# Altium PCB main.PcbDoc (continued)
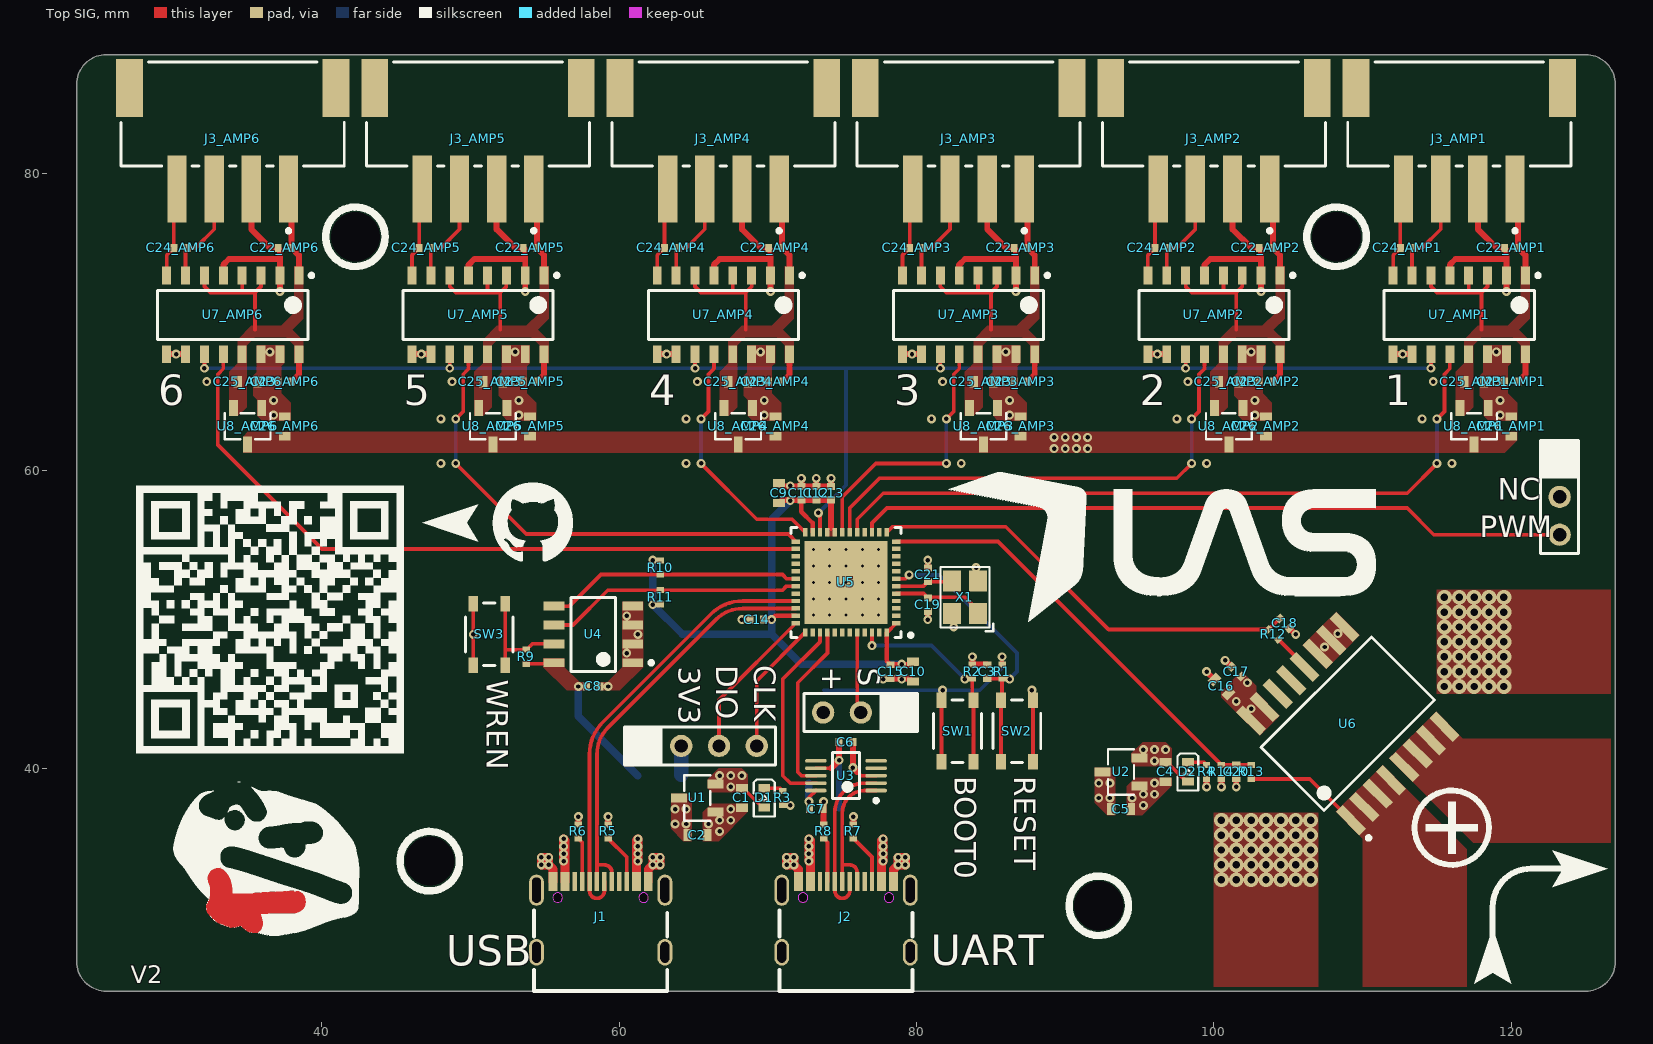
[diagram p0: Top SIG view]
## Part data
C1 C2 C4 C5 C9 C10 C16 C25_AMP1 C25_AMP2 C25_AMP3 C25_AMP4 C25_AMP5 C25_AMP6 C26_AMP1 C26_AMP2 C26_AMP3 C26_AMP4 C26_AMP5 C26_AMP6: library part "Generic CAP 0603"
C3 C6 C7 C8 C11 C12 C13 C14 C15 C17 C18 C19 C20 C21 C22_AMP1 C22_AMP2 C22_AMP3 C22_AMP4 C22_AMP5 C22_AMP6 C23_AMP1 C23_AMP2 C23_AMP3 C23_AMP4 C23_AMP5 C23_AMP6 C24_AMP1 C24_AMP2 C24_AMP3 C24_AMP4 C24_AMP5 C24_AMP6: library part "Generic CAP 0402"
J1 J2: "Connector Type:Type-C Standard:- Gender:Female Number of Contacts:16 Number of Ports:1 Mounting Style:Surface Mount Current Rating - Power (Max):3A Operating Temperature Range:-25℃~+85℃ Operating Temperature Range:-25℃~+85℃", Current Rating - Power (Max)=3A, JLCPCB Part Class="Extended Part", LCSC Part Name="Type-C 母座 卧贴", Manufacturer=DEALON(德艺隆), Operating Temperature Range=-25℃~+85℃, Add into BOM=yes, Connector Type=Type-C, Convert to PCB=yes, Datasheet=https://atta.szlcsc.com/upload/public/pdf/source/20211217/CCD3D517E355E8E0CC52ABD8D5784AD8.pdf, Device=USB-TYPE-C-019, Gender=Female, Manufacturer Part=USB-TYPE-C-019, Mounting Style="Surface Mount", Number of Contacts=16, Number of Ports=1, Standard=-, Supplier=LCSC, Supplier Footprint=SMD, Supplier Part=C2927039, Symbol=USB-TYPE-C-019
J3_AMP1 J3_AMP2 J3_AMP3 J3_AMP4 J3_AMP5 J3_AMP6: library part CMP-17439-000072-1, "CONN HEADER SMD R/A 4POS 2.5MM", Color=Natural, Contact Resistance=20mR, Housing Color=Beige, Max Current Rating=3A, Max Operating Temperature=85°C, Max Voltage Rating (AC)=250V, Min Operating Temperature=-25°C, Package Quantity=1, Connector Type="Male Pin", Contact Material="Copper Alloy", Contact Plating=Tin, Contact Type="Male Pin", Depth=10mm, Gender=Male, Housing Material=Polyamide, Lead Free="Lead Free", Length=15mm, Mount="Surface Mount", Number of Contacts=4, Number of Positions=4, Number of Rows=1, Orientation="Right Angle", Packaging="Tape and Reel", Pitch=0.098inch, REACH SVHC="No SVHC", Series=XH, Termination=Solder
R1 R2 R3 R4 R5 R6 R7 R8 R9 R10 R11 R12 R13 R14: library part "Generic RES 0402"
SW1 SW2 SW3: library part CMP-10040-000001-2, "SWITCH TACTILE SPST-NO 0.05A 16V", Case/Package=SMD/SMT, Color=Black, Current Rating=50mA, Max Operating Temperature=85°C, Min Operating Temperature=-40°C, Operating Force=160gf, Package Quantity=2900, Voltage Rating (DC)=16V, Actuator Type=Standard, Contact Plating=Silver, Depth=4.6mm, Illumination Type=Non-Illuminated, Lead Free="Lead Free", Length=3.2mm, Max Current Rating=50mA, Mechanical Life=150000Cycles, Mount="Surface Mount", Orientation=Straight, Packaging="Tape and Reel", RoHS Compliant=Yes, Switch Function=Off-Mom, Switch Travel=0.15mm, Termination=J-Bend, Throw Configuration=SPST
U1 U2 U8_AMP1 U8_AMP2 U8_AMP3 U8_AMP4 U8_AMP5 U8_AMP6: library part "3.3V Regulator XC6206P332MR_C5446", "Output Type: Output Polarity:Positive Number of Outputs:1 Maximum Input Voltage:6V Output Voltage:3.3V~3.3V Output Voltage:3.3V~3.3V Dropout Voltage:680mV@(100mA) Output Current:200mA Power Supply Rejection Ratio (PSRR):-", Dropout Voltage=680mV@(100mA), JLCPCB Part Class="Basic Part", LCSC Part Name="正 Vin=6V Vout=3.3V 200mA", Manufacturer=TOREX(特瑞仕), Maximum Input Voltage=6V, Output Current=200mA, Output Voltage=3.3V~3.3V, Power Supply Rejection Ratio (PSRR)=-, Add into BOM=yes, Convert to PCB=yes, Datasheet=https://atta.szlcsc.com/upload/public/pdf/source/20130801/1457706628791.pdf, Device=XC6206P332MR_C5446, Manufacturer Part=XC6206P332MR, Number of Outputs=1, Output Polarity=Positive, Supplier=LCSC, Supplier Footprint=SOT-23-3L, Supplier Part=C5446, Symbol=XC6206P332MR
U4: library part CMP-2000-05370-2, "IC EEPROM 2K I2C 400KHZ 8SO", Ambient Temperature Range High=+85°C, Ambient Temperature Range Low=-40°C, Frequency=400kHz, Manufacturer=STMicroelectronics, Max Supply Voltage=5.5V, Min Supply Voltage=2.5V, Nominal Supply Current=0.5-1mA, Package=SO8N-SO-A, Temperature="-40°C to +85°C", Access Time=900ns, Automotive=No, Category=IC, ComponentLink2Description=Datasheet, ComponentLink2URL=https://www.st.com/resource/en/datasheet/m24c02-w.pdf, Device Class L1="Integrated Circuits (ICs)", Device Class L2=Memory, Device Class L3=EEPROM, Digikey Description="IC EEPROM 2K I2C 400KHZ 8SO", Height=1.75mm, Interface=I2C, Lead Free=Yes, Manufacturer Part Number=M24C02-WMN6TP, Memory Size=2Kbits, Memory Type=EEPROM, Mouser Description="M24C02 Series 2 Kb (256 x 8) 2.5 V SMT Serial I²C Bus EEPROM - SOIC-8", Octopart=https://octopart.com/m24c02-wmn6tp-stmicroelectronics-55404516, RoHS=TRUE, Standoff Height=0.1mm, Temperature Range High=+85°C, Temperature Range Low=-40°C
U6: library part CMP-82923-000073-1, "AUTOMOTIVE GRADE HIGH BANDWIDTH", Case/Package=SOIC, Current Sensing=65A, Frequency=1MHz, Max Operating Temperature=125°C, Max Supply Current=35mA, Min Operating Temperature=-40°C, Accuracy=1.7%, Linearity=0.5%, Mount="Surface Mount", Number of Channels=1, Number of Pins=16, Packaging="Tape and Reel", Polarity=Bidirectional, Response Time=200ns, RoHS Compliant=Yes, Sensitivity=20mV/A
X1: library part "Crystal 25MHz X322525MOB4SI", "Crystal Type:SMD Crystal Resonator Frequency: Frequency Tolerance:±10ppm Frequency Tolerance:±10ppm Frequency Stability:±30ppm Frequency Stability:±30ppm Load Capacitance: Operating Temperature: Operating Temperature:", Frequency Stability=±30ppm, Frequency Tolerance=±10ppm, JLCPCB Part Class="Basic Part", LCSC Part Name="25MHz ±10ppm 12pF", Manufacturer=YXC(扬兴晶振), Manufacturer Part=X322525MOB4SI, Add into BOM=yes, Convert to PCB=yes, Crystal Type="SMD Crystal Resonator", Datasheet=https://atta.szlcsc.com/upload/public/pdf/source/20210329/C112971_1F611BDC486E193C1706F6D8EB5AA189.pdf, Device=X322525MOB4SI, Supplier=LCSC, Supplier Footprint=SMD3225-4P, Supplier Part=C9006, Symbol=X322525MOB4SI

## Free pads (board coordinates)
  round 1.5 hole 0.9: HS11(69.25,41.5) HS11(78.79,43.75) HS11(123.25,55.71) HS12(66.71,41.5) HS12(76.25,43.75) HS12(123.25,58.25) HS13(64.17,41.5) HS13(73.71,43.75) HS13(123.25,60.79) HS14(61.63,41.5)
  round 0 hole 3.3 unplated: MNT(42.25,75.75) MNT(47.25,33.75) MNT(92.25,30.75) MNT(108.25,75.75)

## Via types
v1: diameter 0.6, hole 0.3, Top SIG to Bottom SIG, tented both sides, 184 vias
v2: diameter 1, hole 0.5, Top SIG to Bottom SIG, tented both sides, 70 vias
v3: diameter 0.5, hole 0.2, Top SIG to Bottom SIG, tented bottom, 25 vias

## Nets (pads, with @x,y where several pads share a name; then routed paths per layer and width w, separated by ;. In a path a pad name is that pad's centre, name@x,y a point inside that pad or via, vN(x,y) a via of type N, cw(c..) or ccw(c..) an arc to the next point about the centre after c; other vN are vias at no path point)
"+3.3 MCU": C1.2 C7.2 C8.2 C9.2 C10.2 C11.2 C12.2 C13.2 C14.2 C15.2 D1.1 pad.HS13@64.17,41.5 pad.HS13@73.71,43.75 R1.2 R9.2 R10.2 R11.2 SW1.1 SW1.2 U1.2 U3.10 U4.8 U5.1 U5.20 U5.21 U5.23 U5.35 U5.48 | length 79.6
  Top SIG w0.25: R9.2 55.53,47.025 U4.8 ; C1.2 68.34,38.66 69.65,37.35 D1.1 ; v1(72.75,37.75) 72.75,38.025 U3.10 ; U5.48 U5.1 ; SW1.1 SW1.2 ; R1.2 v1(85.75,47.5)
  Top SIG w0.3: v1(70.25,50) 70.5,50.25 U5.35 ; C11.2 72.25,57.25 73,56.5 U5.23 ; U5.48 78,47.21 C15.2
  Top SIG w0.4: C14.2 v1(70.25,50) ; C9.2 70.95,58.04 C11.2 C12.2 C13.2 74.25,56.15 ; C15.2 79.55,46.96 C10.2
  Bottom SIG w0.25: 73.75,45.25 v1(81.75,45.25) 84.25,45.25 85.75,46.75 v1(85.75,47.5)
  Bottom SIG w0.5: v1(57.25,45.5) 57.25,43.5 61.25,39.5 ; v1(62.25,54) v1(62.25,51) 64.25,49 70.25,49 ; v1(71.5,58) 70.25,56.75 v1(70.25,50) 70.25,49 ; v1(72.75,37.75) 72.75,39 ; v1(79,47) 72.25,47 70.25,49
  Bottom SIG w1: 64.17,39.58 pad.HS13@64.17,41.5
  other v1: 67.5,38.75 66.75,39.5 67.5,39.5 68.25,39.5
"+3.3 SENS": C4.2 C16.2 C17.2 D2.1 U2.2 U6.15 U6.16 | length 2
  Top SIG w0.25: C4.2 96.84,40.41 98.15,39.1 D2.1
  other v1: 96,40.5 95.25,41.25 96,41.25 96.75,41.25 102.5,44 101.5,44.5 102.25,45.75
+3.3_AMP1: C22_AMP1.1 C23_AMP1.2 C25_AMP1.2 J3_AMP1.1 U7_AMP1.1 U7_AMP1.3 U7_AMP1.4 U7_AMP1.6 U7_AMP1.13 U7_AMP1.16 U8_AMP1.2 | length 17.4
  Top SIG w0.25: U7_AMP1.6 114.595,72.405 115,72 117.135,72 ; U7_AMP1.4 117.135,72 ; 118,69.5 118,72 ; U7_AMP1.3 118.405,72.405 118,72 ; 117.135,72 118,72
  Top SIG w0.4: J3_AMP1.1 120.46,78.74 C22_AMP1.1 120.945,74.515 U7_AMP1.1 ; C23_AMP1.2 120.945,66.485 U7_AMP1.16
+3.3_AMP2: C22_AMP2.1 C23_AMP2.2 C25_AMP2.2 J3_AMP2.1 U7_AMP2.1 U7_AMP2.3 U7_AMP2.4 U7_AMP2.6 U7_AMP2.13 U7_AMP2.16 U8_AMP2.2 | length 17.4
  Top SIG w0.25: U7_AMP2.6 98.095,72.405 98.5,72 100.635,72 ; U7_AMP2.4 100.635,72 ; 101.5,69.5 101.5,72 ; U7_AMP2.3 101.905,72.405 101.5,72 ; 100.635,72 101.5,72
  Top SIG w0.4: J3_AMP2.1 103.96,78.74 C22_AMP2.1 104.445,74.515 U7_AMP2.1 ; C23_AMP2.2 104.445,66.485 U7_AMP2.16
+3.3_AMP3: C22_AMP3.1 C23_AMP3.2 C25_AMP3.2 J3_AMP3.1 U7_AMP3.1 U7_AMP3.3 U7_AMP3.4 U7_AMP3.6 U7_AMP3.13 U7_AMP3.16 U8_AMP3.2 | length 17.4
  Top SIG w0.25: U7_AMP3.6 81.595,72.405 82,72 84.135,72 ; U7_AMP3.4 84.135,72 ; 85,69.5 85,72 ; U7_AMP3.3 85.405,72.405 85,72 ; 84.135,72 85,72
  Top SIG w0.4: J3_AMP3.1 87.46,78.74 C22_AMP3.1 87.945,74.515 U7_AMP3.1 ; C23_AMP3.2 87.945,66.485 U7_AMP3.16
+3.3_AMP4: C22_AMP4.1 C23_AMP4.2 C25_AMP4.2 J3_AMP4.1 U7_AMP4.1 U7_AMP4.3 U7_AMP4.4 U7_AMP4.6 U7_AMP4.13 U7_AMP4.16 U8_AMP4.2 | length 17.4
  Top SIG w0.25: U7_AMP4.6 65.095,72.405 65.5,72 67.635,72 ; U7_AMP4.4 67.635,72 ; 68.5,69.5 68.5,72 ; U7_AMP4.3 68.905,72.405 68.5,72 ; 67.635,72 68.5,72
  Top SIG w0.4: J3_AMP4.1 70.96,78.74 C22_AMP4.1 71.445,74.515 U7_AMP4.1 ; C23_AMP4.2 71.445,66.485 U7_AMP4.16
+3.3_AMP5: C22_AMP5.1 C23_AMP5.2 C25_AMP5.2 J3_AMP5.1 U7_AMP5.1 U7_AMP5.3 U7_AMP5.4 U7_AMP5.6 U7_AMP5.13 U7_AMP5.16 U8_AMP5.2 | length 17.4
  Top SIG w0.25: U7_AMP5.6 48.595,72.405 49,72 51.135,72 ; U7_AMP5.4 51.135,72 ; 52,69.5 52,72 ; U7_AMP5.3 52.405,72.405 52,72 ; 51.135,72 52,72
  Top SIG w0.4: J3_AMP5.1 54.46,78.74 C22_AMP5.1 54.945,74.515 U7_AMP5.1 ; C23_AMP5.2 54.945,66.485 U7_AMP5.16
+3.3_AMP6: C22_AMP6.1 C23_AMP6.2 C25_AMP6.2 J3_AMP6.1 U7_AMP6.1 U7_AMP6.3 U7_AMP6.4 U7_AMP6.6 U7_AMP6.13 U7_AMP6.16 U8_AMP6.2 | length 17.4
  Top SIG w0.25: U7_AMP6.6 32.095,72.405 32.5,72 34.635,72 ; U7_AMP6.4 34.635,72 ; 35.5,69.5 35.5,72 ; U7_AMP6.3 35.905,72.405 35.5,72 ; 34.635,72 35.5,72
  Top SIG w0.4: J3_AMP6.1 37.96,78.74 C22_AMP6.1 38.445,74.515 U7_AMP6.1 ; C23_AMP6.2 38.445,66.485 U7_AMP6.16
"+5 USB": C2.2 C5.2 C6.2 C26_AMP1.2 C26_AMP2.2 C26_AMP3.2 C26_AMP4.2 C26_AMP5.2 C26_AMP6.2 J1.A4B9 J1.B4A9 J2.A4B9 J2.B4A9 U1.3 U2.3 U3.7 U8_AMP1.3 U8_AMP2.3 U8_AMP3.3 U8_AMP4.3 U8_AMP5.3 U8_AMP6.3 | length 24.1
  Top SIG w0.25: U3.7 74.25,40
  Top SIG w0.4: 74.25,40 v1(74.79,40.54) C6.2
  Top SIG w0.6: J1.A4B9 56.35,33.65 v1(56.25,33.75) v1(56.25,34.25) v1(56.25,34.75) v1(56.25,35.25) 56.35,35.15 v1@56.35,33.75 ; J1.B4A9 61.15,33.65 v1(61.25,33.75) v1(61.25,34.25) v1(61.25,35.25) 61.15,35.15 v1@61.15,33.75 ; J2.A4B9 72.85,33.65 v1(72.75,33.75) v1(72.75,34.25) v1(72.75,34.75) v1(72.75,35.25) 72.85,35.15 v1@72.85,33.75 ; J2.B4A9 77.65,33.65 v1(77.75,33.75) v1(77.75,34.25) v1(77.75,34.75) v1(77.75,35.25) 77.65,35.15 v1@77.65,33.75
  Bottom SIG w0.4: 74.79,37.29 v1(74.79,40.54)
  other v1: 61.25,34.75 63.75,36.25 64.5,36.25 63.75,37.25 64.5,37.25 92.25,38 93,38 92.25,39 93,39 89.25,61.5 90,61.5 90.75,61.5 91.5,61.5 89.25,62.25 90,62.25 90.75,62.25 91.5,62.25
AMP_SCK: U5.22 U7_AMP1.11 U7_AMP2.11 U7_AMP3.11 U7_AMP4.11 U7_AMP5.11 U7_AMP6.11 | length 100
  Top SIG w0.25: v1(32.095,66.905) U7_AMP6.11 ; v1(48.595,66.905) U7_AMP5.11 ; v1(65.095,66.905) U7_AMP4.11 ; v1(73.393,57.171) 73.5,57.064 U5.22 ; v1(81.595,66.905) U7_AMP3.11 ; v1(98.095,66.905) U7_AMP2.11 ; v1(114.595,66.905) U7_AMP1.11
  Bottom SIG w0.25: v1(32.095,66.905) v1(48.595,66.905) v1(65.095,66.905) 75.25,66.905 ; v1(73.393,57.171) 75.25,59.028 75.25,66.905 ; v1(114.595,66.905) v1(98.095,66.905) v1(81.595,66.905) 75.25,66.905
BATT_IN: R13.2 U6.1 U6.2 U6.3 U6.4 | length 7.9
  Top SIG w0.25: R13.2 106.439,39.275 U6.1
BATT_OUT: U6.5 U6.6 U6.7 U6.8
BOOT0: R2.2 SW1.3 SW1.4 U5.46 | length 13.7
  Top SIG w0.25: v1(77,48.25) U5.46 ; R2.2 83.75,44.65 SW1.4 SW1.3
  Bottom SIG w0.25: v1(77,48.25) 81,48.25 v1(83.25,46)
DOUT1: U5.17 U7_AMP1.12 | length 49.1
  Top SIG w0.25: U5.17 76,56.75 77.75,58.5 113,58.5 v1(115,60.5) ; v1(115,63.5) 115.5,64 115.5,66.5 115.865,66.865 U7_AMP1.12
  Bottom SIG w0.25: v1(115,60.5) v1(115,63.5)
DOUT2: U5.18 U7_AMP2.12 | length 33.6
  Top SIG w0.25: U5.18 75.5,57.5 77.5,59.5 97.5,59.5 v1(98.5,60.5) ; v1(98.5,63.5) 99,64 99,66.5 99.365,66.865 U7_AMP2.12
  Bottom SIG w0.25: v1(98.5,60.5) v1(98.5,63.5)
DOUT3: U5.19 U7_AMP3.12 | length 18
  Top SIG w0.25: U5.19 75,58.25 77.25,60.5 v1(82,60.5) ; v1(82,63.5) 82.5,64 82.5,66.5 82.865,66.865 U7_AMP3.12
  Bottom SIG w0.25: v1(82,60.5) v1(82,63.5)
DOUT4: U5.24 U7_AMP4.12 | length 16.6
  Top SIG w0.25: v1(65.5,60.5) 69.25,56.75 71.625,56.75 U5.24 ; v1(65.5,63.5) 66,64 66,66.5 66.365,66.865 U7_AMP4.12
  Bottom SIG w0.25: v1(65.5,60.5) v1(65.5,63.5)
DOUT5: U5.25 U7_AMP5.12 | length 32.8
  Top SIG w0.25: v1(49,60.5) 53.75,55.75 71.375,55.75 U5.25 ; v1(49,63.5) 49.5,64 49.5,66.5 49.865,66.865 U7_AMP5.12
  Bottom SIG w0.25: v1(49,60.5) v1(49,63.5)
DOUT6: U5.26 U7_AMP6.12 | length 48
  Top SIG w0.25: U7_AMP6.12 33.365,66.865 33,66.5 33,61.75 40,54.75 U5.26
EEPROM_WC: R9.1 SW3.1 SW3.2 U4.7 | length 7.6
  Top SIG w0.25: SW3.2 52.325,47.975 ; SW3.1 52.325,47.975 ; U4.7 54.14,48.365 R9.1 52.325,47.975
ESC_SIG: pad.HS11@123.25,55.71 U5.15 | length 48
  Top SIG w0.25: U5.15 77,56.5 78,57.5 113,57.5 114.79,55.71 pad.HS11@123.25,55.71
GND: C1.1 C2.1 C3.1 C4.1 C5.1 C6.1 C7.1 C8.1 C9.1 C10.1 C11.1 C12.1 C13.1 C14.1 C15.1 C16.1 C17.1 C18.1 C19.2 C20.1 C21.2 C22_AMP1.2 C22_AMP2.2 C22_AMP3.2 C22_AMP4.2 C22_AMP5.2 C22_AMP6.2 C23_AMP1.1 C23_AMP2.1 C23_AMP3.1 C23_AMP4.1 C23_AMP5.1 C23_AMP6.1 C25_AMP1.1 C25_AMP2.1 C25_AMP3.1 C25_AMP4.1 C25_AMP5.1 C25_AMP6.1 C26_AMP1.1 C26_AMP2.1 C26_AMP3.1 C26_AMP4.1 C26_AMP5.1 C26_AMP6.1 J1.A1B12 J1.B1A12 J2.A1B12 J2.B1A12 J3_AMP1.2 J3_AMP2.2 J3_AMP3.2 J3_AMP4.2 J3_AMP5.2 J3_AMP6.2 pad.HS11@78.79,43.75 pad.HS13@123.25,60.79 pad.HS14 R2.1 R3.1 R4.1 R5.1 R6.1 R7.1 R8.1 R14.1 SW2.3 SW2.4 SW3.3 SW3.4 U1.1 U2.1 U3.3 U4.1 U4.2 U4.3 U4.4 U5.49 U6.9 U6.10 U6.11 U7_AMP1.2 U7_AMP1.5 U7_AMP1.9 U7_AMP1.10 U7_AMP1.14 U7_AMP1.15 U7_AMP2.2 U7_AMP2.5 U7_AMP2.9 U7_AMP2.10 U7_AMP2.14 U7_AMP2.15 U7_AMP3.2 U7_AMP3.5 U7_AMP3.9 U7_AMP3.10 U7_AMP3.14 U7_AMP3.15 U7_AMP4.2 U7_AMP4.5 U7_AMP4.9 U7_AMP4.10 U7_AMP4.14 U7_AMP4.15 U7_AMP5.2 U7_AMP5.5 U7_AMP5.9 U7_AMP5.10 U7_AMP5.14 U7_AMP5.15 U7_AMP6.2 U7_AMP6.5 U7_AMP6.9 U7_AMP6.10 U7_AMP6.14 U7_AMP6.15 U8_AMP1.1 U8_AMP2.1 U8_AMP3.1 U8_AMP4.1 U8_AMP5.1 U8_AMP6.1 X1.2 X1.4 | length 128.4
  Top SIG w0.25: SW3.4 SW3.3 ; 76,39.75 76.25,39.5 U3.3 ; SW2.3 SW2.4
  Top SIG w0.4: U7_AMP6.9 v1(30.19,67.85) U7_AMP6.10 ; U7_AMP6.5 33.365,73.865 33.75,74.25 37.175,74.25 ; J3_AMP6.2 35.25,76.25 36.5,75 C22_AMP6.2 37.175,74.865 37.175,74.25 ; v1(37.175,72.075) U7_AMP6.2 37.175,74.25 ; U7_AMP5.9 U7_AMP5.10 ; U7_AMP5.5 49.865,73.865 50.25,74.25 53.675,74.25 ; J3_AMP5.2 51.75,76.25 53,75 C22_AMP5.2 53.675,74.865 53.675,74.25 ; v1(53.675,72.075) U7_AMP5.2 53.675,74.25 ; R6.1 v1(57.25,36.75) ; R5.1 v1(59.25,36.75) ; U7_AMP4.9 U7_AMP4.10 ; U7_AMP4.5 66.365,73.865 66.75,74.25 70.175,74.25 ; v1(68.25,50) C14.1 ; J3_AMP4.2 68.25,76.25 69.5,75 C22_AMP4.2 70.175,74.865 70.175,74.25 ; v1(70.175,72.075) U7_AMP4.2 70.175,74.25 ; C9.1 70.95,58.96 C11.1 ; v1(72.25,59.5) C11.1 ; v1(73.25,59.5) C12.1 ; R8.1 v1(73.75,37.75) ; v1(74.25,59.5) C13.1 C12.1 ; C6.1 v1(75.71,40.04) 76,39.75 ; R7.1 v1(75.75,36.75) ; v1(77.75,46) 77.79,46.04 C15.1 79.55,46.04 C10.1 ; U7_AMP3.9 U7_AMP3.10 ; v1(80.75,50) C19.2 ; C21.2 v1(80.75,54) ; U7_AMP3.5 82.865,73.865 83.25,74.25 86.675,74.25 ; v1(83.75,47.5) R2.1 84.735,46.975 C3.1 ; J3_AMP3.2 84.75,76.25 86,75 C22_AMP3.2 86.675,74.865 86.675,74.25 ; v1(86.675,72.075) U7_AMP3.2 86.675,74.25 ; U7_AMP2.9 U7_AMP2.10 ; U7_AMP2.5 99.365,73.865 99.75,74.25 103.175,74.25 ; v1(99.5,38.75) R4.1 ; v1(99.5,46.5) C16.1 ; v1(100.5,38.75) R14.1 ; v1(100.75,47.25) C17.1 ; J3_AMP2.2 101.25,76.25 102.5,75 C22_AMP2.2 103.175,74.865 103.175,74.25 ; v1(101.5,38.75) C20.1 ; v1(103.175,72.075) U7_AMP2.2 103.175,74.25 ; C18.1 v1(105.5,49) ; U7_AMP1.9 U7_AMP1.10 ; U7_AMP1.5 115.865,73.865 116.25,74.25 119.675,74.25 ; J3_AMP1.2 117.75,76.25 119,75 C22_AMP1.2 119.675,74.865 119.675,74.25 ; v1(119.675,72.075) U7_AMP1.2 119.675,74.25 ; C11.1 C12.1
  Top SIG w0.6: J1.A1B12 55.55,33.2 v1(55.25,33.5) ; J1.B1A12 61.95,33.2 v1(62.25,33.5) ; J2.A1B12 72.05,33.2 v1(71.75,33.5) ; J2.B1A12 78.45,33.2 v1(78.75,33.5) ; v1(54.75,34) v1(54.75,33.5) v1(55.25,33.5) ; v1(54.75,34) v1(55.25,34) v1(55.25,33.5) ; v1(54.75,34) v1(55.25,33.5) ; v1(62.25,33.5) v1(62.25,34) v1(62.75,34) ; v1(62.25,33.5) v1(62.75,34) ; v1(62.25,33.5) v1(62.75,33.5) v1(62.75,34) ; v1(71.25,34) v1(71.75,33.5) ; v1(71.25,34) v1(71.75,34) v1(71.75,33.5) ; v1(71.25,34) v1(71.25,33.5) v1(71.75,33.5) ; v1(78.75,33.5) v1(78.75,34) v1(79.25,34) ; v1(78.75,33.5) v1(79.25,34) ; v1(78.75,33.5) v1(79.25,33.5) v1(79.25,34)
  other v1: 66.75,35.75 66,36.25 66.75,36.5 67.5,36.5 67.5,37.25 71.5,37.5 95.25,37.5 94.5,38 95.25,38.25 96,38.25 96,39 87.75,45.25 59.25,45.5 79,46 60.5,47.75 107.437,48.155 50.175,49 61.25,49 108.335,49.053 82.5,49.5 60.5,50.25 84,53.5 71.5,59 48,60.5 64.5,60.5 83,60.5 99.5,60.5 116,60.5 48,63.5 64.5,63.5 81,63.5 97.5,63.5 114,63.5 36.75,63.75 53.25,63.75 69.75,63.75 86.25,63.75 102.75,63.75 119.25,63.75 36.75,64.75 53.25,64.75 69.75,64.75 86.25,64.75 102.75,64.75 119.25,64.75 32.25,66 36.5,66 48.75,66 53,66 65.25,66 69.5,66 81.75,66 86,66 98.25,66 102.5,66 114.75,66 119,66 46.69,67.85 63.19,67.85 79.69,67.85 96.19,67.85 112.69,67.85 36.5,68 53,68 69.5,68 86,68 102.5,68 119,68
  other v2: 100.5,32.5 101.5,32.5 102.5,32.5 103.5,32.5 104.5,32.5 105.5,32.5 106.5,32.5 100.5,33.5 101.5,33.5 102.5,33.5 103.5,33.5 104.5,33.5 105.5,33.5 106.5,33.5 100.5,34.5 101.5,34.5 102.5,34.5 103.5,34.5 104.5,34.5 105.5,34.5 106.5,34.5 100.5,35.5 101.5,35.5 102.5,35.5 103.5,35.5 104.5,35.5 105.5,35.5 106.5,35.5 100.5,36.5 101.5,36.5 102.5,36.5 103.5,36.5 104.5,36.5 105.5,36.5 106.5,36.5 115.5,45.5 116.5,45.5 117.5,45.5 118.5,45.5 119.5,45.5 115.5,46.5 116.5,46.5 117.5,46.5 118.5,46.5 119.5,46.5 115.5,47.5 116.5,47.5 117.5,47.5 118.5,47.5 119.5,47.5 115.5,48.5 116.5,48.5 117.5,48.5 118.5,48.5 119.5,48.5 115.5,49.5 116.5,49.5 117.5,49.5 118.5,49.5 119.5,49.5 115.5,50.5 116.5,50.5 117.5,50.5 118.5,50.5 119.5,50.5 115.5,51.5 116.5,51.5 117.5,51.5 118.5,51.5 119.5,51.5
  other v3: 73.05,50.3 74.15,50.3 75.25,50.3 76.35,50.3 77.45,50.3 73.05,51.4 74.15,51.4 75.25,51.4 76.35,51.4 77.45,51.4 73.05,52.5 74.15,52.5 75.25,52.5 76.35,52.5 77.45,52.5 73.05,53.6 74.15,53.6 75.25,53.6 76.35,53.6 77.45,53.6 73.05,54.7 74.15,54.7 75.25,54.7 76.35,54.7 77.45,54.7
I2C2_SCL: R11.1 U4.6 U5.31 | length 17.4
  Top SIG w0.25: U4.6 56.885,49.635 59.225,51.975 R11.1 70.975,51.975 71.25,52.25 U5.31
I2C2_SDA: R10.1 U4.5 U5.30 | length 17.3
  Top SIG w0.25: U4.5 56.655,50.905 58.775,53.025 R10.1 70.975,53.025 71.25,52.75 U5.30
I_SENSE: C18.2 R12.1 U5.13 | length 29.8
  Top SIG w0.25: U5.13 78.375,56.25 86,56.25 92.914,49.336 R12.1 104.028,49.7 104.05,49.7 C18.2
MCU_D_N: J1.A7 J1.B7 U5.33 | length 30
  Top SIG w0.25: J1.A7 59,31.75 cw(c58.5,31.75) 58.5,31.25 cw(c58.5,31.75) 58,31.75 J1.B7 58,40.948 cw(c61.04,40.948) 58.89,43.098 66.152,50.36 cw(c68.302,48.21) 68.302,51.25 U5.33
MCU_D_P: J1.A6 J1.B6 U5.34 | length 28.3
  Top SIG w0.25: J1.A6@58.5,32.379 58.5,33.5 ; J1.B6 59.5,33 ccw(c59,33) 59,33.5 58.5,33.5 ; U5.34 68.302,50.75 ccw(c68.302,48.21) 66.506,50.006 59.244,42.744 ccw(c61.04,40.948) 58.5,40.948 58.5,33.5
NetC19_1: C19.1 U5.5 X1.1 | length 6.2
  Top SIG w0.25: U5.5 80.46,51.75 C19.1 80.79,51.5 83.25,51.5 84.125,50.625 X1.1
NetC21_1: C21.1 U5.6 X1.3 | length 3.9
  Top SIG w0.25: U5.6 80.46,52.25 C21.1 82.315,52.54 X1.3
NetC24_AMP1_1: C24_AMP1.1 J3_AMP1.4 U7_AMP1.8 | length 6.1
  Top SIG w0.25: U7_AMP1.8 112.055,74.515 C24_AMP1.1 112.54,78.74 J3_AMP1.4
NetC24_AMP1_2: C24_AMP1.2 J3_AMP1.3 U7_AMP1.7 | length 6.9
  Top SIG w0.25: U7_AMP1.7 113.325,74.865 C24_AMP1.2 114,75 115.25,76.25 J3_AMP1.3
NetC24_AMP2_1: C24_AMP2.1 J3_AMP2.4 U7_AMP2.8 | length 6.1
  Top SIG w0.25: U7_AMP2.8 95.555,74.515 C24_AMP2.1 96.04,78.74 J3_AMP2.4
NetC24_AMP2_2: C24_AMP2.2 J3_AMP2.3 U7_AMP2.7 | length 6.9
  Top SIG w0.25: U7_AMP2.7 96.825,74.865 C24_AMP2.2 97.5,75 98.75,76.25 J3_AMP2.3
NetC24_AMP3_1: C24_AMP3.1 J3_AMP3.4 U7_AMP3.8 | length 6.1
  Top SIG w0.25: U7_AMP3.8 79.055,74.515 C24_AMP3.1 79.54,78.74 J3_AMP3.4
NetC24_AMP3_2: C24_AMP3.2 J3_AMP3.3 U7_AMP3.7 | length 6.9
  Top SIG w0.25: U7_AMP3.7 80.325,74.865 C24_AMP3.2 81,75 82.25,76.25 J3_AMP3.3
NetC24_AMP4_1: C24_AMP4.1 J3_AMP4.4 U7_AMP4.8 | length 6.1
  Top SIG w0.25: U7_AMP4.8 62.555,74.515 C24_AMP4.1 63.04,78.74 J3_AMP4.4
NetC24_AMP4_2: C24_AMP4.2 J3_AMP4.3 U7_AMP4.7 | length 6.9
  Top SIG w0.25: U7_AMP4.7 63.825,74.865 C24_AMP4.2 64.5,75 65.75,76.25 J3_AMP4.3
NetC24_AMP5_1: C24_AMP5.1 J3_AMP5.4 U7_AMP5.8 | length 6.1
  Top SIG w0.25: U7_AMP5.8 46.055,74.515 C24_AMP5.1 46.54,78.74 J3_AMP5.4
NetC24_AMP5_2: C24_AMP5.2 J3_AMP5.3 U7_AMP5.7 | length 6.9
  Top SIG w0.25: U7_AMP5.7 47.325,74.865 C24_AMP5.2 48,75 49.25,76.25 J3_AMP5.3
NetC24_AMP6_1: C24_AMP6.1 J3_AMP6.4 U7_AMP6.8 | length 6.1
  Top SIG w0.25: U7_AMP6.8 29.555,74.515 C24_AMP6.1 30.04,78.74 J3_AMP6.4
NetC24_AMP6_2: C24_AMP6.2 J3_AMP6.3 U7_AMP6.7 | length 6.9
  Top SIG w0.25: U7_AMP6.7 30.825,74.865 C24_AMP6.2 31.5,75 32.75,76.25 J3_AMP6.3
NetD1_2: D1.2 R3.2 | length 1.3
  Top SIG w0.25: D1.2 70.825,38.65 R3.2
NetD2_2: D2.2 R4.2 | length 1.3
  Top SIG w0.25: D2.2 99.325,40.4 R4.2
NetJ1_A5: J1.A5 R6.2 | length 3
  Top SIG w0.25: R6.2 57.5,35.025 J1.A5
NetJ1_B5: J1.B5 R5.2 | length 3.4
  Top SIG w0.25: R5.2 60.5,34.025 J1.B5
NetJ2_A5: J2.A5 R8.2 | length 3
  Top SIG w0.25: R8.2 74,35.025 J2.A5
NetJ2_B5: J2.B5 R7.2 | length 3.4
  Top SIG w0.25: R7.2 77,34.025 J2.B5
NetR12_2: R12.2 U6.12 | length 2.6
  Top SIG w0.25: R12.2 106.09,46.91 U6.12
NRST: C3.2 R1.1 SW2.1 SW2.2 U5.7 | length 19
  Top SIG w0.25: U5.7 79.25,52.75 v1(79.5,53) ; C3.2 84.765,46.025 R1.1 85.75,44.65 SW2.2 SW2.1
  Bottom SIG w0.25: v1(79.5,53) 81.5,53 86.75,47.75 86.75,46.5 v1(86.25,46)
RPM_CLK: pad.HS12@76.25,43.75 U5.44 | length 5.5
  Top SIG w0.25: U5.44 76,44 pad.HS12@76.25,43.75
SWCLK: pad.HS11@69.25,41.5 U5.37 | length 9
  Top SIG w0.25: pad.HS11@69.25,41.5 69.25,45.875 U5.37
SWDIO: pad.HS12@66.71,41.5 U5.36 | length 10.4
  Top SIG w0.25: pad.HS12@66.71,41.5 66.71,44.585 U5.36
UART_D_N: J2.A7 J2.B7 U3.2 | length 11.4
  Top SIG w0.25: J2.A7 75.5,31.75 cw(c75,31.75) 75,31.25 cw(c75,31.75) 74.5,31.75 J2.B7 74.5,37 cw(c76.5,37) 76.5,39 U3.2
UART_D_P: J2.A6 J2.B6 U3.1 | length 9.7
  Top SIG w0.25: J2.A6 75,33.5 ; J2.B6 76,33 ccw(c75.5,33) 75.5,33.5 75,33.5 ; U3.1 76.5,38.5 ccw(c76.5,37) 75,37 75,33.5
UART_RXD: U3.9 U5.39 | length 13.1
  Top SIG w0.25: U3.9 71.5,39 71,39.5 71,46 73.5,48.5 U5.39
UART_TXD: U3.8 U5.40 | length 11.5
  Top SIG w0.25: U3.8 72.25,39.5 72,39.75 72,45.75 74,47.75 U5.40
V_SENSE: C20.2 R13.1 R14.2 U5.12 | length 30.1
  Top SIG w0.25: U5.12 85.475,55.25 R14.2 R13.1
pads on no net: J1.1 J1.2 J1.3 J1.4 J1.6 J1.7 J1.A8 J1.B8 J2.1 J2.2 J2.3 J2.4 J2.6 J2.7 J2.A8 J2.B8 J3_AMP1.5 J3_AMP1.6 J3_AMP2.5 J3_AMP2.6 J3_AMP3.5 J3_AMP3.6 J3_AMP4.5 J3_AMP4.6 J3_AMP5.5 J3_AMP5.6 J3_AMP6.5 J3_AMP6.6 U3.4 U3.5 U3.6 U5.2 U5.3 U5.4 U5.8 U5.9 U5.10 U5.11 U5.14 U5.16 U5.27 U5.28 U5.29 U5.32 U5.38 U5.41 U5.42 U5.43 U5.45 U5.47 U6.13 U6.14

## Polygon pours and split planes (outlines as drawn)
"+3.3 SENS" on Top SIG "NONET_L01_P-001" (solid, pour order 62): 101.854,46.528 102.83,45.551 102.83,45.139 104.421,43.548 103.064,42.19 100.486,44.768 100.486,45.161 101.472,46.146
GND on Top SIG "NONET_L01_P-001" (solid, pour order 60): 108.219,50.527 105.963,48.271 107.554,46.681 109.81,48.936
"+3.3 SENS" on Top SIG "NONET_L01_P-001" (solid, pour order 51): 94.45,40.4 94.72,40.13 97.15,40.13 97.15,41.35 96.75,41.75 95.2,41.75 94.45,41
"+5 USB" on Top SIG "NONET_L01_P-001" (solid, pour order 50): 91.98,40.05 91.98,37.68 92.81,36.85 93.37,36.85 93.37,39.73 93.05,40.05
GND on Top SIG "NONET_L01_P-001" (solid, pour order 49): 94.13,36.85 95.19,36.85 97.15,38.81 97.15,39.37 94.72,39.37 94.13,38.78 94.13,37.65
"+3.3 MCU" on Top SIG "NONET_L01_P-001" (solid, pour order 45): 65.95,38.65 66.22,38.38 68.65,38.38 68.65,39.6 68.25,40 66.7,40 65.95,39.25
"+5 USB" on Top SIG "NONET_L01_P-001" (solid, pour order 43): 63.48,38.3 63.48,35.93 64.31,35.1 64.87,35.1 64.87,37.98 64.55,38.3
GND on Top SIG "NONET_L01_P-001" (solid, pour order 42): 65.63,35.1 66.69,35.1 68.65,37.06 68.65,37.62 66.22,37.62 65.63,37.03 65.63,35.9
"+3.3 MCU" on Top SIG "NONET_L01_P-001" (solid, pour order 38): 54.9,47.395 56.3,47.395 56.3,46.795 57.325,45.77 58.02,45.77 58.02,45.23 56.465,45.23 54.9,46.795
GND on Top SIG "Top SIG-GND" (solid, pour order 37): 58.48,45.23 60.035,45.23 61.6,46.795 61.6,51.205 60.2,51.205 60.2,46.795 59.175,45.77 58.48,45.77
"+3.3 MCU" on Top SIG "NONET_L01_P-001" (solid, pour order 28): 73.85,55.6 74.65,55.6 74.65,56.15 73.85,56.15
BATT_OUT on Top SIG "Top SIG-BATT_OUT" (solid, pour order 25): 127,35 127,42 116.746,42 114.936,43.81 111.782,40.656 117.438,35
BATT_IN on Top SIG "Top SIG-BATT_IN" (solid, pour order 24): 110,25 117,25 117,34.562 111.344,40.218 108.19,37.064 110,35.254
GND on Top SIG "NONET_L04_P-001" (solid, pour order 20): 115,52 115,45 127,45 127,52
GND on Top SIG "NONET_L04_P-001" (solid, pour order 18): 100,37 107,37 107,25 100,25
+3.3_AMP1 on Top SIG "Top SIG-+3.3_AMP6" (solid, pour order 17): 116.85,63.7 117.435,64.285 117.435,68.45 117.985,69 120.095,69 120.645,68.45 120.645,67.25 121.245,67.25 121.245,68.755 120.5,69.5 121.245,70.245 121.245,73.75 120.645,73.75 120.645,70.645 119.75,69.75 117.75,69.75 116.835,68.835 116.835,67.25 116.25,66.665 116.25,63.7
GND on Top SIG "NONET_L04_P-001" (solid, pour order 16): 118.15,63.7 118.47,63.38 120.4,63.38 120.4,64.6 119.77,65.23 119.77,67.045 119.975,67.25 119.975,68.45 118.105,68.45 118.105,66.625 117.88,66.4 117.88,65.04 118.15,64.77
+3.3_AMP2 on Top SIG "Top SIG-+3.3_AMP6" (solid, pour order 15): 100.35,63.7 100.935,64.285 100.935,68.45 101.485,69 103.595,69 104.145,68.45 104.145,67.25 104.745,67.25 104.745,68.755 104,69.5 104.745,70.245 104.745,73.75 104.145,73.75 104.145,70.645 103.25,69.75 101.25,69.75 100.335,68.835 100.335,67.25 99.75,66.665 99.75,63.7
GND on Top SIG "NONET_L04_P-001" (solid, pour order 14): 101.65,63.7 101.97,63.38 103.9,63.38 103.9,64.6 103.27,65.23 103.27,67.045 103.475,67.25 103.475,68.45 101.605,68.45 101.605,66.625 101.38,66.4 101.38,65.04 101.65,64.77
+3.3_AMP3 on Top SIG "Top SIG-+3.3_AMP6" (solid, pour order 13): 83.85,63.7 84.435,64.285 84.435,68.45 84.985,69 87.095,69 87.645,68.45 87.645,67.25 88.245,67.25 88.245,68.755 87.5,69.5 88.245,70.245 88.245,73.75 87.645,73.75 87.645,70.645 86.75,69.75 84.75,69.75 83.835,68.835 83.835,67.25 83.25,66.665 83.25,63.7
GND on Top SIG "NONET_L04_P-001" (solid, pour order 12): 85.15,63.7 85.47,63.38 87.4,63.38 87.4,64.6 86.77,65.23 86.77,67.045 86.975,67.25 86.975,68.45 85.105,68.45 85.105,66.625 84.88,66.4 84.88,65.04 85.15,64.77
+3.3_AMP4 on Top SIG "Top SIG-+3.3_AMP6" (solid, pour order 11): 67.35,63.7 67.935,64.285 67.935,68.45 68.485,69 70.595,69 71.145,68.45 71.145,67.25 71.745,67.25 71.745,68.755 71,69.5 71.745,70.245 71.745,73.75 71.145,73.75 71.145,70.645 70.25,69.75 68.25,69.75 67.335,68.835 67.335,67.25 66.75,66.665 66.75,63.7
GND on Top SIG "NONET_L04_P-001" (solid, pour order 10): 68.65,63.7 68.97,63.38 70.9,63.38 70.9,64.6 70.27,65.23 70.27,67.045 70.475,67.25 70.475,68.45 68.605,68.45 68.605,66.625 68.38,66.4 68.38,65.04 68.65,64.77
+3.3_AMP5 on Top SIG "Top SIG-+3.3_AMP6" (solid, pour order 9): 50.85,63.7 51.435,64.285 51.435,68.45 51.985,69 54.095,69 54.645,68.45 54.645,67.25 55.245,67.25 55.245,68.755 54.5,69.5 55.245,70.245 55.245,73.75 54.645,73.75 54.645,70.645 53.75,69.75 51.75,69.75 50.835,68.835 50.835,67.25 50.25,66.665 50.25,63.7
GND on Top SIG "NONET_L04_P-001" (solid, pour order 8): 52.15,63.7 52.47,63.38 54.4,63.38 54.4,64.6 53.77,65.23 53.77,67.045 53.975,67.25 53.975,68.45 52.105,68.45 52.105,66.625 51.88,66.4 51.88,65.04 52.15,64.77
"+5 USB" on Top SIG "NONET_L04_P-001" (solid, pour order 5): 34.7,61.23 119.57,61.23 120.4,62.06 120.4,62.62 35.02,62.62 34.7,62.3
+3.3_AMP6 on Top SIG "Top SIG-+3.3_AMP6" (solid, pour order 4): 34.35,63.7 34.935,64.285 34.935,68.45 35.485,69 37.595,69 38.145,68.45 38.145,67.25 38.745,67.25 38.745,68.755 38,69.5 38.745,70.245 38.745,73.75 38.145,73.75 38.145,70.645 37.25,69.75 35.25,69.75 34.335,68.835 34.335,67.25 33.75,66.665 33.75,63.7
GND on Top SIG "NONET_L04_P-001" (solid, pour order 1): 35.65,63.7 35.97,63.38 37.9,63.38 37.9,64.6 37.27,65.23 37.27,67.045 37.475,67.25 37.475,68.45 35.605,68.45 35.605,66.625 35.38,66.4 35.38,65.04 35.65,64.77
no net on Top Overlay "NONET_L01_P-001" (solid): 77.52,45.02 77.52,42.48 78.155,42.48 80.06,42.48 80.06,45.02
no net on Top Overlay "NONET_L01_P-001" (solid): 50.5,55.25 46.75,56.5 50.5,57.75 49.75,56.5
no net on Top Overlay "NONET_L01_P-001" (solid): 121.98,62.06 124.52,62.06 124.52,60.79 124.52,59.52 121.98,59.52
no net on Top Overlay "NONET_L01_P-001" (solid): 60.36,42.77 60.36,40.23 60.995,40.23 62.9,40.23 62.9,42.77
no net on Top Overlay "NONET_L01_P-001" (solid): 117.5,25.5 118.75,29.25 120,25.5 118.75,26.25
no net on Top Overlay "NONET_L01_P-001" (solid): 122.75,34.5 126.5,33.25 122.75,32 123.5,33.25
no net on Top Overlay "NONET_L01_P-001" (solid): 114.25,35.75 114.25,36.25 117.75,36.25 117.75,35.75
no net on Top Overlay "NONET_L01_P-001" (solid): 115.75,37.75 116.25,37.75 116.25,34.25 115.75,34.25
no net on Top Solder "NONET_L04_P-001" (solid): 120,42 120,35 127,35 127,42
no net on Top Solder "NONET_L04_P-001" (solid): 120,52 120,45 127,45 127,52
no net on Top Solder "NONET_L04_P-001" (solid): 110,32 117,32 117,25 110,25
no net on Top Solder "NONET_L04_P-001" (solid): 100,32 107,32 107,25 100,25
"+3.3 MCU" on Bottom SIG "Bottom SIG-+3.3 MCU" (solid, pour order 69): 60.5,39.5 61.75,38.25 73,38.25 73,40 74.25,41.25 74.25,47.25 72.25,47.25 72.25,42.25 70.25,40.25 60.5,40.25
"+5 USB" on Bottom SIG "Bottom SIG-+5 USB" (solid, pour order 67): 89.625,40.125 92,37.75 93.25,37.75 93.25,39.25 91,41.5 92,42.5 92,62.5 88.75,62.5 88.75,44 82.75,38 77.5,38 77,37.5 58,37.5 56,35.5 56,33.5 63.25,33.5 64.5,32.25 69.5,32.25 70.75,33.5 78,33.5 78,34.75 84.25,34.75
"+3.3 SENS" on Bottom SIG "NONET_L01_P-001" (solid, pour order 63): 102,46 97.75,41.75 95.25,41.75 95,41.5 95,40.75 95.75,40 99,40 102.75,43.75 102.75,45.75 102.5,46
GND on Bottom SIG "NONET_L01_P-001" (solid, pour order 31): 100,32 111,32 120,41 120,52 115,52 115,43.75 108.25,37 100,37
no net on Bottom Solder "NONET_L01_P-001" (solid): 107,32.5 110.75,32.5 119.5,41.25 119.5,45 115.5,45 115.5,43.5 108.5,36.5 107,36.5
GND on Inner GND 1 "Inner GND 1-GND" (solid, pour order 33): 100,32 111,32 120,41 120,52 115,52 115,43.75 108.25,37 100,37 100,37.75 108,37.75 114.25,44 114.25,52.75 130.5,52.75 130.5,89.5 21,89.5 21,23.25 100,23.25
GND on Inner GND 2 "Inner GND 2-GND" (solid, pour order 34): 100,32 111,32 120,41 120,52 115,52 115,43.75 108.25,37 100,37 100,37.75 108,37.75 114.25,44 114.25,52.75 130.5,52.75 130.5,89.5 21,89.5 21,23.25 100,23.25

## Other copper
Top SIG:
  region: 897 vertices and 0 holes, not listed, extent 32.208,28.938 38.937,33.302

## Silkscreen, mask and mechanical layers (free items; w line width, h text height)
Top Overlay:
  drawing of 162 lines, arcs and shapes, not listed
  text "6" at 29,63.75 h3.5
  text "5" at 45.5,63.75 h3.5
  text "4" at 62,63.75 h3.5
  text "3" at 78.5,63.75 h3.5
  text "2" at 95,63.75 h3.5
  text "1" at 111.5,63.75 h3.5
  text "NC" at 119.078,57.569 h2.5
  text "PWM" at 117.87,55.03 h2.5
  text "DIO" at 66.03,46.942 h2.5 r270
  text "CLK" at 68.569,46.945 h2.5 r270
  text "3V3" at 63.489,46.813 h2.5 r270
  text "+" at 73.144,46.811 h2.5 r270
  text "S" at 75.57,46.763 h2.5 r270
  text "WREN" at 50.57,45.95 h2.5 r270
  text "BOOT0" at 82.07,39.45 h2.5 r270
  text "RESET" at 86.07,39.45 h2.5 r270
  text "USB" at 48.364,26.048 h3.5
  text "UART" at 80.95,26.064 h3.5
  text "V2" at 27.125,25.15 h2
Bottom Overlay:
  drawing of 2 lines, arcs and shapes, not listed
  text "Thrust Stand DAQ Board" at 87.347,61.355 h3
  text "Charles S Dec 2023" at 112.5,25 h2.5
Top Solder:
  region: 897 vertices and 0 holes, not listed, extent 32.208,28.938 38.937,33.302
Mechanical 1:
  the board outline again, w0.1